# Altium PCB TCM.PcbDoc (part 1 of 10) (continued)
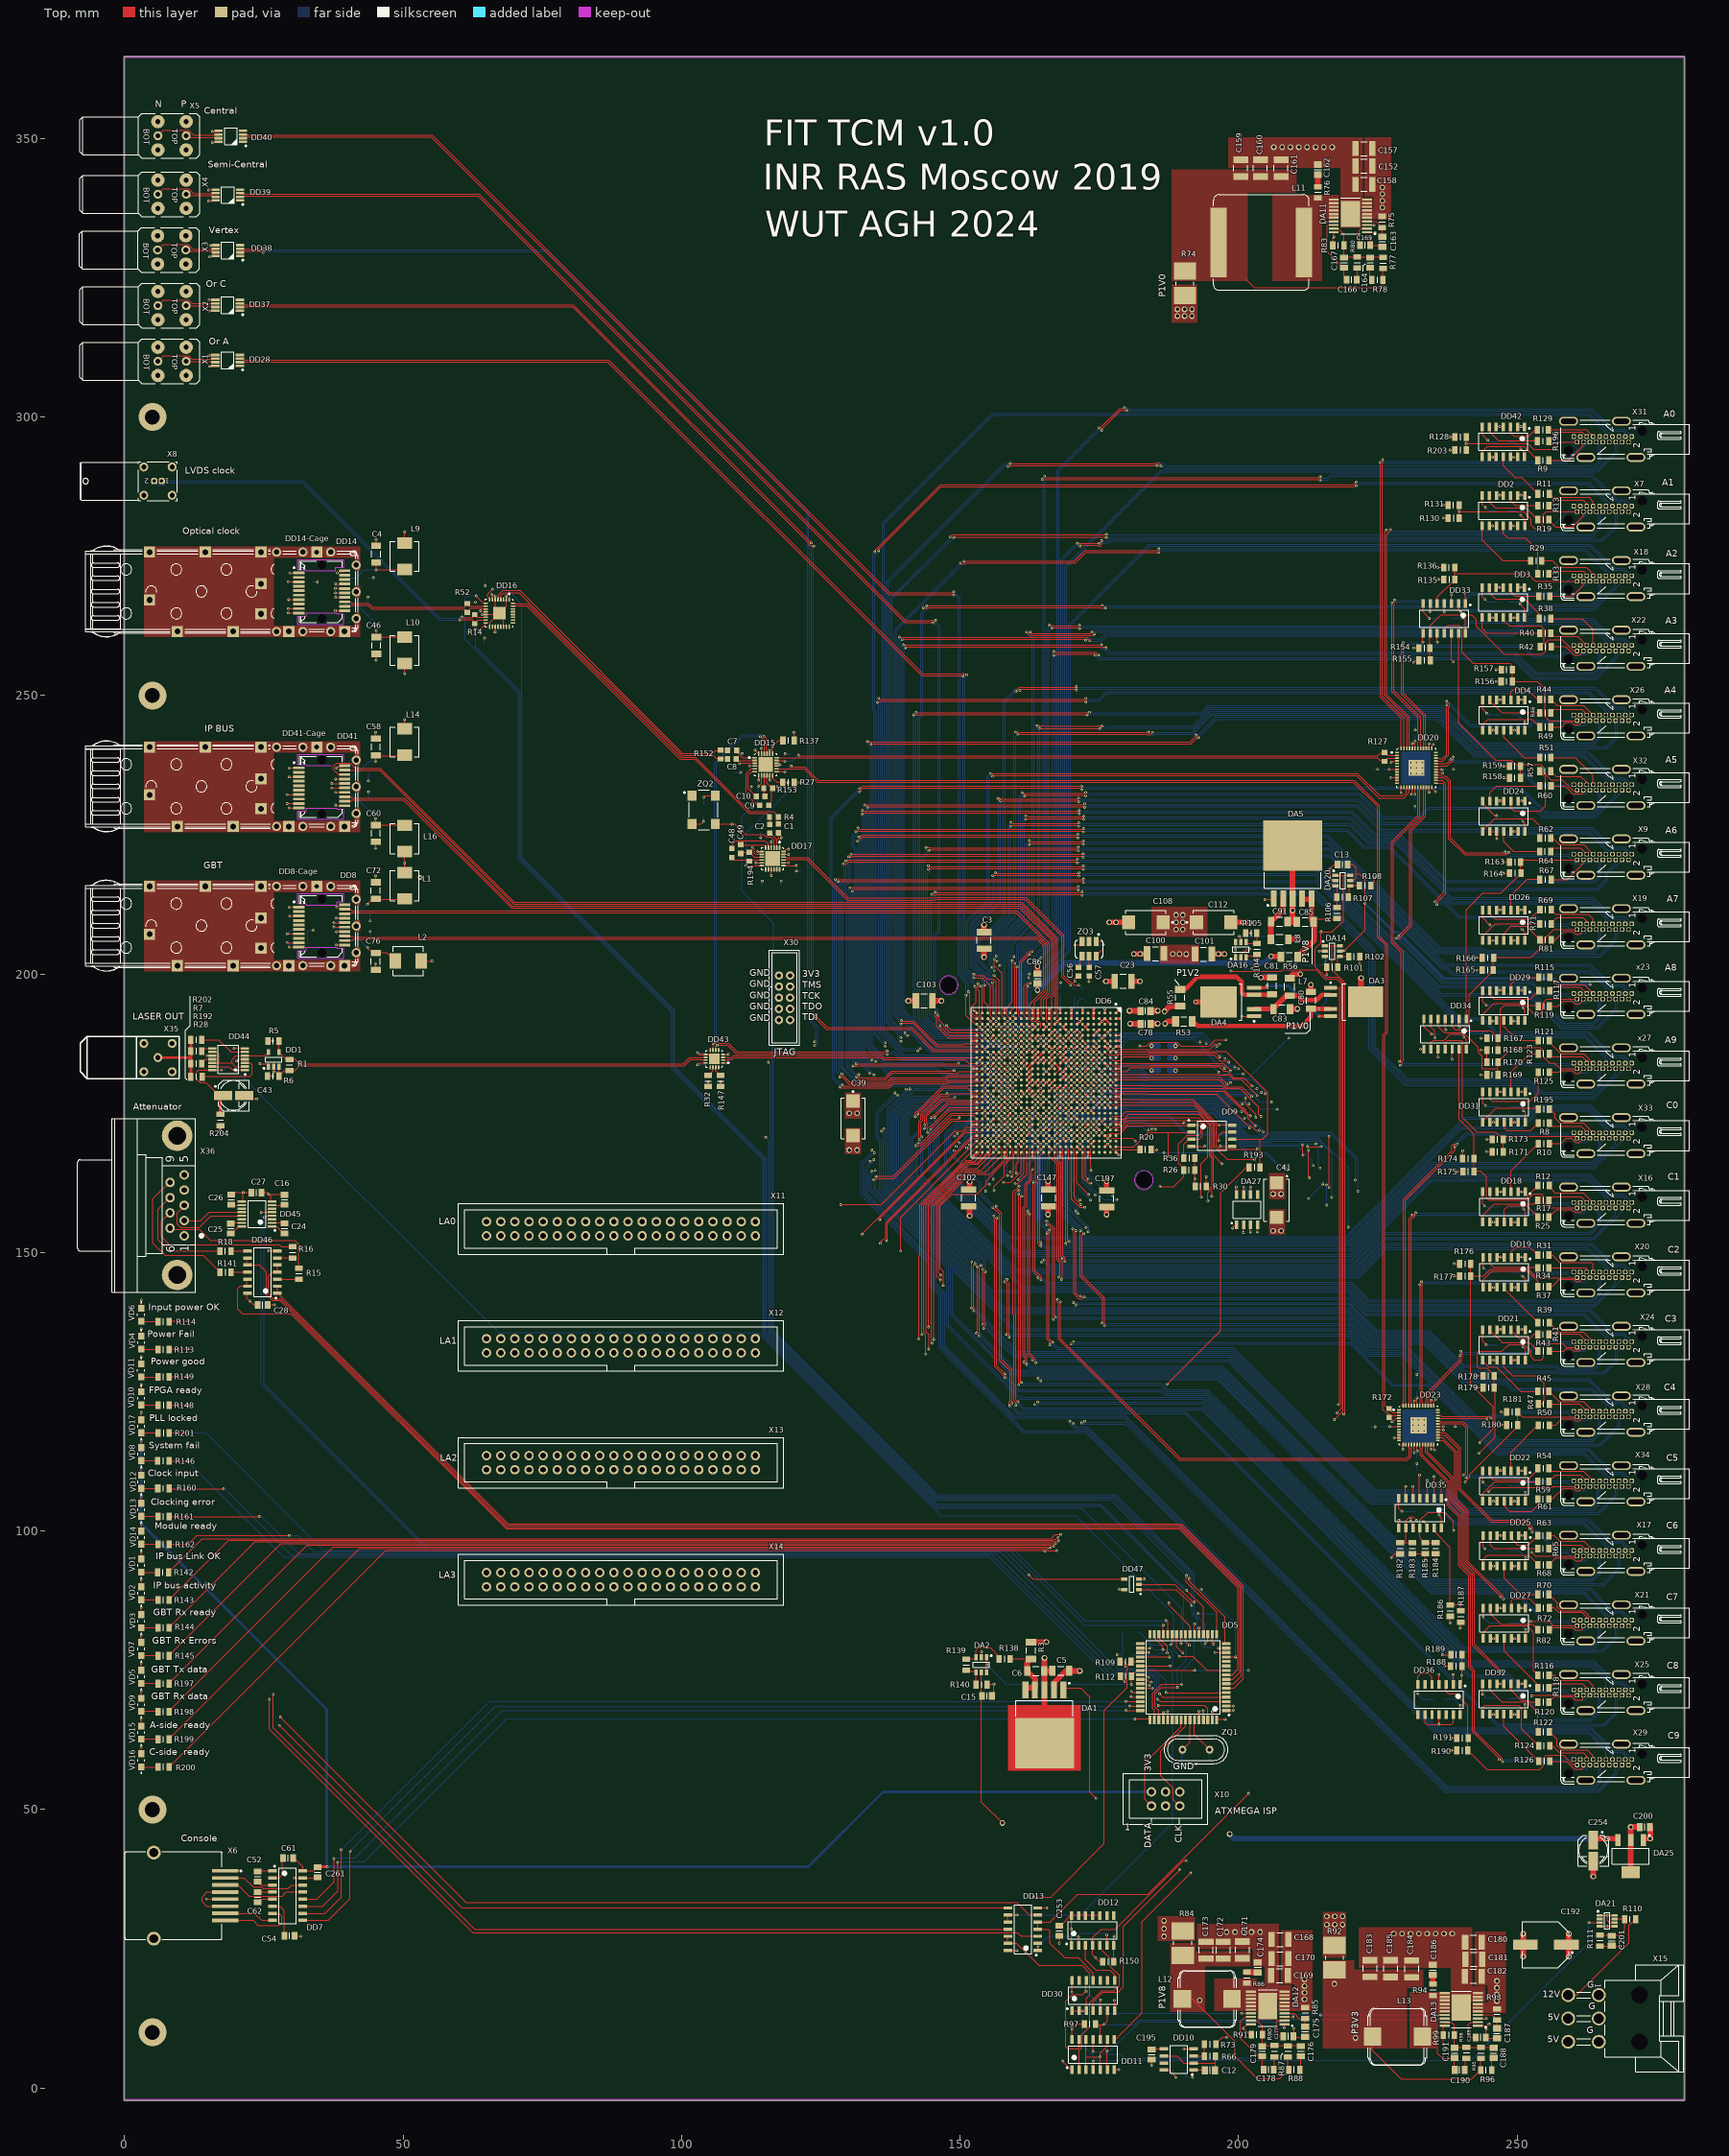
[diagram p0: Top view]
## Classes and differential pairs (continued)
differential pair OrA: +OrA_P -OrA_N
differential pair MGTCLK: +MGTCLK_P -MGTCLK_N
differential pair LASER: +LASER_P -LASER_N
differential pair HDMIC_LHC.9_LHC_CLK: +HDMIC_LHC.9_LHC_CLK_P -HDMIC_LHC.9_LHC_CLK_N
differential pair HDMIC_LHC.8_LHC_CLK: +HDMIC_LHC.8_LHC_CLK_P -HDMIC_LHC.8_LHC_CLK_N
differential pair HDMIC_LHC.7_LHC_CLK: +HDMIC_LHC.7_LHC_CLK_P -HDMIC_LHC.7_LHC_CLK_N
differential pair HDMIC_LHC.6_LHC_CLK: +HDMIC_LHC.6_LHC_CLK_P -HDMIC_LHC.6_LHC_CLK_N
differential pair HDMIC_LHC.5_LHC_CLK: +HDMIC_LHC.5_LHC_CLK_P -HDMIC_LHC.5_LHC_CLK_N
differential pair HDMIC_LHC.4_LHC_CLK: +HDMIC_LHC.4_LHC_CLK_P -HDMIC_LHC.4_LHC_CLK_N
differential pair HDMIC_LHC.3_LHC_CLK: +HDMIC_LHC.3_LHC_CLK_P -HDMIC_LHC.3_LHC_CLK_N
differential pair HDMIC_LHC.2_LHC_CLK: +HDMIC_LHC.2_LHC_CLK_P -HDMIC_LHC.2_LHC_CLK_N
differential pair HDMIC_LHC.1_LHC_CLK: +HDMIC_LHC.1_LHC_CLK_P -HDMIC_LHC.1_LHC_CLK_N
differential pair HDMIC_LHC.0_LHC_CLK: +HDMIC_LHC.0_LHC_CLK_P -HDMIC_LHC.0_LHC_CLK_N
differential pair HDMIC9.TCM_DT1: +HDMIC9.TCM_DT1_P -HDMIC9.TCM_DT1_N
differential pair HDMIC9.TCM_DT0: +HDMIC9.TCM_DT0_P -HDMIC9.TCM_DT0_N
differential pair HDMIC9.TCM_DA1: +HDMIC9.TCM_DA1_P -HDMIC9.TCM_DA1_N
differential pair HDMIC9.TCM_DA0: +HDMIC9.TCM_DA0_P -HDMIC9.TCM_DA0_N
differential pair HDMIC8.TCM_DT1: +HDMIC8.TCM_DT1_P -HDMIC8.TCM_DT1_N
differential pair HDMIC8.TCM_DT0: +HDMIC8.TCM_DT0_P -HDMIC8.TCM_DT0_N
differential pair HDMIC8.TCM_DA1: +HDMIC8.TCM_DA1_P -HDMIC8.TCM_DA1_N
differential pair HDMIC8.TCM_DA0: +HDMIC8.TCM_DA0_P -HDMIC8.TCM_DA0_N
differential pair HDMIC7.TCM_DT1: +HDMIC7.TCM_DT1_P -HDMIC7.TCM_DT1_N
differential pair HDMIC7.TCM_DT0: +HDMIC7.TCM_DT0_P -HDMIC7.TCM_DT0_N
differential pair HDMIC7.TCM_DA1: +HDMIC7.TCM_DA1_P -HDMIC7.TCM_DA1_N
differential pair HDMIC7.TCM_DA0: +HDMIC7.TCM_DA0_P -HDMIC7.TCM_DA0_N
differential pair HDMIC6.TCM_DT1: +HDMIC6.TCM_DT1_P -HDMIC6.TCM_DT1_N
differential pair HDMIC6.TCM_DT0: +HDMIC6.TCM_DT0_P -HDMIC6.TCM_DT0_N
differential pair HDMIC6.TCM_DA1: +HDMIC6.TCM_DA1_P -HDMIC6.TCM_DA1_N
differential pair HDMIC6.TCM_DA0: +HDMIC6.TCM_DA0_P -HDMIC6.TCM_DA0_N
differential pair HDMIC5.TCM_DT1: +HDMIC5.TCM_DT1_P -HDMIC5.TCM_DT1_N
differential pair HDMIC5.TCM_DT0: +HDMIC5.TCM_DT0_P -HDMIC5.TCM_DT0_N
differential pair HDMIC5.TCM_DA1: +HDMIC5.TCM_DA1_P -HDMIC5.TCM_DA1_N
differential pair HDMIC5.TCM_DA0: +HDMIC5.TCM_DA0_P -HDMIC5.TCM_DA0_N
differential pair HDMIC4.TCM_DT1: +HDMIC4.TCM_DT1_P -HDMIC4.TCM_DT1_N
differential pair HDMIC4.TCM_DT0: +HDMIC4.TCM_DT0_P -HDMIC4.TCM_DT0_N
differential pair HDMIC4.TCM_DA1: +HDMIC4.TCM_DA1_P -HDMIC4.TCM_DA1_N
differential pair HDMIC4.TCM_DA0: +HDMIC4.TCM_DA0_P -HDMIC4.TCM_DA0_N
differential pair HDMIC3.TCM_DT1: +HDMIC3.TCM_DT1_P -HDMIC3.TCM_DT1_N
differential pair HDMIC3.TCM_DT0: +HDMIC3.TCM_DT0_P -HDMIC3.TCM_DT0_N
differential pair HDMIC3.TCM_DA1: +HDMIC3.TCM_DA1_P -HDMIC3.TCM_DA1_N
differential pair HDMIC3.TCM_DA0: +HDMIC3.TCM_DA0_P -HDMIC3.TCM_DA0_N
differential pair HDMIC2.TCM_DT1: +HDMIC2.TCM_DT1_P -HDMIC2.TCM_DT1_N
differential pair HDMIC2.TCM_DT0: +HDMIC2.TCM_DT0_P -HDMIC2.TCM_DT0_N
differential pair HDMIC2.TCM_DA1: +HDMIC2.TCM_DA1_P -HDMIC2.TCM_DA1_N
differential pair HDMIC2.TCM_DA0: +HDMIC2.TCM_DA0_P -HDMIC2.TCM_DA0_N
differential pair HDMIC1.TCM_DT1: +HDMIC1.TCM_DT1_P -HDMIC1.TCM_DT1_N
differential pair HDMIC1.TCM_DT0: +HDMIC1.TCM_DT0_P -HDMIC1.TCM_DT0_N
differential pair HDMIC1.TCM_DA1: +HDMIC1.TCM_DA1_P -HDMIC1.TCM_DA1_N
differential pair HDMIC1.TCM_DA0: +HDMIC1.TCM_DA0_P -HDMIC1.TCM_DA0_N
differential pair HDMIC0.TCM_DT1: +HDMIC0.TCM_DT1_P -HDMIC0.TCM_DT1_N
differential pair HDMIC0.TCM_DT0: +HDMIC0.TCM_DT0_P -HDMIC0.TCM_DT0_N
differential pair HDMIC0.TCM_DA1: +HDMIC0.TCM_DA1_P -HDMIC0.TCM_DA1_N
differential pair HDMIC0.TCM_DA0: +HDMIC0.TCM_DA0_P -HDMIC0.TCM_DA0_N
differential pair HDMIA_LHC.9_LHC_CLK: +HDMIA_LHC.9_LHC_CLK_P -HDMIA_LHC.9_LHC_CLK_N
differential pair HDMIA_LHC.8_LHC_CLK: +HDMIA_LHC.8_LHC_CLK_P -HDMIA_LHC.8_LHC_CLK_N
differential pair HDMIA_LHC.7_LHC_CLK: +HDMIA_LHC.7_LHC_CLK_P -HDMIA_LHC.7_LHC_CLK_N
differential pair HDMIA_LHC.6_LHC_CLK: +HDMIA_LHC.6_LHC_CLK_P -HDMIA_LHC.6_LHC_CLK_N
differential pair HDMIA_LHC.5_LHC_CLK: +HDMIA_LHC.5_LHC_CLK_P -HDMIA_LHC.5_LHC_CLK_N
differential pair HDMIA_LHC.4_LHC_CLK: +HDMIA_LHC.4_LHC_CLK_P -HDMIA_LHC.4_LHC_CLK_N
differential pair HDMIA_LHC.3_LHC_CLK: +HDMIA_LHC.3_LHC_CLK_P -HDMIA_LHC.3_LHC_CLK_N
differential pair HDMIA_LHC.2_LHC_CLK: +HDMIA_LHC.2_LHC_CLK_P -HDMIA_LHC.2_LHC_CLK_N
differential pair HDMIA_LHC.1_LHC_CLK: +HDMIA_LHC.1_LHC_CLK_P -HDMIA_LHC.1_LHC_CLK_N
differential pair HDMIA_LHC.0_LHC_CLK: +HDMIA_LHC.0_LHC_CLK_P -HDMIA_LHC.0_LHC_CLK_N
differential pair HDMIA9.TCM_DT1: +HDMIA9.TCM_DT1_P -HDMIA9.TCM_DT1_N
differential pair HDMIA9.TCM_DT0: +HDMIA9.TCM_DT0_P -HDMIA9.TCM_DT0_N
differential pair HDMIA9.TCM_DA1: +HDMIA9.TCM_DA1_P -HDMIA9.TCM_DA1_N
differential pair HDMIA9.TCM_DA0: +HDMIA9.TCM_DA0_P -HDMIA9.TCM_DA0_N
differential pair HDMIA8.TCM_DT1: +HDMIA8.TCM_DT1_P -HDMIA8.TCM_DT1_N
differential pair HDMIA8.TCM_DT0: +HDMIA8.TCM_DT0_P -HDMIA8.TCM_DT0_N
differential pair HDMIA8.TCM_DA1: +HDMIA8.TCM_DA1_P -HDMIA8.TCM_DA1_N
differential pair HDMIA8.TCM_DA0: +HDMIA8.TCM_DA0_P -HDMIA8.TCM_DA0_N
differential pair HDMIA7.TCM_DT1: +HDMIA7.TCM_DT1_P -HDMIA7.TCM_DT1_N
differential pair HDMIA7.TCM_DT0: +HDMIA7.TCM_DT0_P -HDMIA7.TCM_DT0_N
differential pair HDMIA7.TCM_DA1: +HDMIA7.TCM_DA1_P -HDMIA7.TCM_DA1_N
differential pair HDMIA7.TCM_DA0: +HDMIA7.TCM_DA0_P -HDMIA7.TCM_DA0_N
differential pair HDMIA6.TCM_DT1: +HDMIA6.TCM_DT1_P -HDMIA6.TCM_DT1_N
differential pair HDMIA6.TCM_DT0: +HDMIA6.TCM_DT0_P -HDMIA6.TCM_DT0_N
differential pair HDMIA6.TCM_DA1: +HDMIA6.TCM_DA1_P -HDMIA6.TCM_DA1_N
differential pair HDMIA6.TCM_DA0: +HDMIA6.TCM_DA0_P -HDMIA6.TCM_DA0_N
differential pair HDMIA5.TCM_DT1: +HDMIA5.TCM_DT1_P -HDMIA5.TCM_DT1_N
differential pair HDMIA5.TCM_DT0: +HDMIA5.TCM_DT0_P -HDMIA5.TCM_DT0_N
differential pair HDMIA5.TCM_DA1: +HDMIA5.TCM_DA1_P -HDMIA5.TCM_DA1_N
differential pair HDMIA5.TCM_DA0: +HDMIA5.TCM_DA0_P -HDMIA5.TCM_DA0_N
differential pair HDMIA4.TCM_DT1: +HDMIA4.TCM_DT1_P -HDMIA4.TCM_DT1_N
differential pair HDMIA4.TCM_DT0: +HDMIA4.TCM_DT0_P -HDMIA4.TCM_DT0_N
differential pair HDMIA4.TCM_DA1: +HDMIA4.TCM_DA1_P -HDMIA4.TCM_DA1_N
differential pair HDMIA4.TCM_DA0: +HDMIA4.TCM_DA0_P -HDMIA4.TCM_DA0_N
differential pair HDMIA3.TCM_DT1: +HDMIA3.TCM_DT1_P -HDMIA3.TCM_DT1_N
differential pair HDMIA3.TCM_DT0: +HDMIA3.TCM_DT0_P -HDMIA3.TCM_DT0_N
differential pair HDMIA3.TCM_DA1: +HDMIA3.TCM_DA1_P -HDMIA3.TCM_DA1_N
differential pair HDMIA3.TCM_DA0: +HDMIA3.TCM_DA0_P -HDMIA3.TCM_DA0_N
differential pair HDMIA2.TCM_DT1: +HDMIA2.TCM_DT1_P -HDMIA2.TCM_DT1_N
differential pair HDMIA2.TCM_DT0: +HDMIA2.TCM_DT0_P -HDMIA2.TCM_DT0_N
differential pair HDMIA2.TCM_DA1: +HDMIA2.TCM_DA1_P -HDMIA2.TCM_DA1_N
differential pair HDMIA2.TCM_DA0: +HDMIA2.TCM_DA0_P -HDMIA2.TCM_DA0_N
differential pair HDMIA1.TCM_DT1: +HDMIA1.TCM_DT1_P -HDMIA1.TCM_DT1_N
differential pair HDMIA1.TCM_DT0: +HDMIA1.TCM_DT0_P -HDMIA1.TCM_DT0_N
differential pair HDMIA1.TCM_DA1: +HDMIA1.TCM_DA1_P -HDMIA1.TCM_DA1_N
differential pair HDMIA1.TCM_DA0: +HDMIA1.TCM_DA0_P -HDMIA1.TCM_DA0_N
differential pair HDMIA0.TCM_DT1: +HDMIA0.TCM_DT1_P -HDMIA0.TCM_DT1_N
differential pair HDMIA0.TCM_DT0: +HDMIA0.TCM_DT0_P -HDMIA0.TCM_DT0_N
differential pair HDMIA0.TCM_DA1: +HDMIA0.TCM_DA1_P -HDMIA0.TCM_DA1_N
differential pair HDMIA0.TCM_DA0: +HDMIA0.TCM_DA0_P -HDMIA0.TCM_DA0_N
differential pair GBT_TX: +GBT_TX_P -GBT_TX_N
differential pair GBT_RX: +GBT_RX_P -GBT_RX_N
differential pair EXT_CLK_IN_1: +EXT_CLK_IN_1_P -EXT_CLK_IN_1_N
differential pair EXT_CLK_IN_0: +EXT_CLK_IN_0_P -EXT_CLK_IN_0_N
differential pair EXT_CLK1: +EXT_CLK1_P -EXT_CLK1_N
differential pair EXT_CLK0: +EXT_CLK0_P -EXT_CLK0_N
differential pair ETH_TX: +ETH_TX_P -ETH_TX_N
differential pair ETH_RX: +ETH_RX_P -ETH_RX_N
differential pair C: +C_P -C_N
differential pair CLKC: +CLKC_P -CLKC_N
differential pair CLKC_IN: +CLKC_IN_P -CLKC_IN_N
differential pair CLKA: +CLKA_P -CLKA_N
differential pair CLKA_IN: +CLKA_IN_P -CLKA_IN_N
differential pair Vertex: +Vertex_P -Vertex_N
differential pair LCLK: +LCLK_P -LCLK_N
differential pair LAS: +LAS_P -LAS_N
differential pair X5: +X5_P -X5_N
differential pair X4: +X4_P -X4_N
differential pair X3: +X3_P -X3_N
differential pair X2: +X2_P -X2_N
differential pair X1: +X1_P -X1_N

## Components (designator, comment, footprint, x,y, rotation, side; value= is the part's Value field where it differs from the comment)
C1 "220nF" CAPC1608X87N 117.4,226.15 r270 top
C2 "220nF" CAPC1608X87N 115.847,226.093 r270 top
C3 "47uF" CAPC3225X270N 154.322,206.03 r270 top
C4 "22uF" CAPC3216X180N 45.172,275.371 r270 top
C5 "22uF" CAPC3216X180N 168.074,74.911 r0 top
C6 "22uF" CAPC3216X180N 163.603,74.88 r180 top
C7 "220nF" CAPC1608X87N 109.083,240.176 r0 top
C8 "220nF" CAPC1608X87N 109.043,238.635 r0 top
C9 "220nF" CAPC1608X87N 114.853,230.288 r0 top
C10 "220nF" CAPC1608X87N 114.215,231.902 r0 top
C11 "220nF" CAPC2012X135N 216.77,204.231 r0 bottom
C12 "2.2nF" CAPC2013X100N 194.87,3.209 r0 top
C13 "220nF" CAPC2012X135N 218.692,219.684 r0 top
C14 "220nF" CAPC2012X135N 200.526,204.718 r90 bottom
C15 "220nF" CAPC2012X135N 154.825,70.386 r180 top
C16 "220nF" CAPC2012X135N 28.735,159.47 r90 top
C17 "220nF" CAPC2012X135N 232.621,103.509 r0 bottom
C18 "220nF" CAPC2012X135N 247.675,133.365 r0 bottom
C19 "220nF" CAPC2012X135N 247.719,69.969 r0 bottom
C20 "220nF" CAPC2012X135N 247.665,83.512 r0 bottom
C21 "220nF" CAPC2012X135N 247.433,295.629 r0 bottom
C22 "220nF" CAPC2012X135N 104.362,184.842 r270 bottom
C23 "47uF" CAPC3225X270N 179.272,198.704 r0 top
C24 "220nF" CAPC2012X135N 28.697,154.333 r270 top
C25 "220nF" CAPC2012X135N 19.1,154.303 r90 top
C26 "220nF" CAPC2012X135N 19.131,159.509 r270 top
C27 "220nF" CAPC2012X135N 23.691,160.762 r0 top
C28 "220nF" CAPC2012X135N 24.792,140.567 r180 top
C29 "220nF" CAPC2012X135N 247.889,246.598 r0 bottom
C30 "220nF" CAPC2012X135N 64.75,269.7 r270 bottom
C31 "220nF" CAPC2012X135N 112.507,233.75 r90 bottom
C32 "220nF" CAPC2012X135N 110.95,239.6 r0 bottom
C33 "220nF" CAPC2012X135N 114.5,216.8 r90 bottom
C34 "220nF" CAPC2012X135N 114.2,224.5 r270 bottom
C35 "220nF" CAPC2012X135N 117.9,224.5 r270 bottom
C36 "220nF" CAPC2012X135N 64.632,260.4 r90 bottom
C37 "220nF" CAPC2012X135N 118.5,239.55 r180 bottom
C38 "220nF" CAPC2012X135N 117.207,233.75 r90 bottom
C39 "330uF" CAPMP7343X300N 130.8,174.1 r270 top
C40 "220nF" CAPC2012X135N 117.9,216.8 r90 bottom
C41 "330uF" CAPMP7343X310N 206.815,159.422 r270 top
C42 "220nF" CAPC2012X135N 18.463,184.517 r90 bottom
C43 "47uF" CAPAE530X610N 19.6,178.225 r0 top
C44 "10nF" CAPC2012X135N 42.604,271.153 r180 bottom
C45 "220nF" CAPC2012X135N 236.006,69.819 r0 bottom
C46 "22uF" CAPC3216X180N 45.198,258.977 r90 top
C47 "10nF" CAPC2012X135N 42.647,266.333 r180 bottom
C48 "220nF" CAPC1608X87N 109.028,221.726 r270 top
C49 "220nF" CAPC1608X87N 110.616,222.445 r270 top
C50 "20pF" CAPC2012X135N 190.059,58.196 r180 bottom
C52 "220nF" CAPC2012X135N 23.915,37.951 r270 top
C53 "220nF" CAPC2012X135N 247.591,108.178 r0 bottom
C54 "220nF" CAPC2012X135N 29.627,27.321 r180 top
C55 "220nF" CAPC2012X135N 17.276,350.276 r270 bottom
C56 "220nF" CAPC1608X87N 171.281,200.418 r270 top
C57 "220nF" CAPC1608X87N 173.189,200.418 r270 top
C58 "22uF" CAPC3216X180N 45.11,240.775 r270 top
C59 "10nF" CAPC2012X135N 42.793,236.023 r180 bottom
C60 "22uF" CAPC3216X180N 45.109,225.241 r90 top
C61 "220nF" CAPC2012X135N 29.361,41.311 r180 top
C62 "220nF" CAPC2012X135N 23.894,34.285 r270 top
C63 "10nF" CAPC2012X135N 42.793,231.298 r180 bottom
C65 "20pF" CAPC2012X135N 194.678,58.209 r0 bottom
C67 "220nF" CAPC2012X135N 247.743,146.52 r0 bottom
C69 "220nF" CAPC1608X87N 170.5,196.525 r270 bottom
C70 "220nF" CAPC1608X87N 172.125,196.525 r270 bottom
C71 "220nF" CAPC2012X135N 195.05,171.306 r90 bottom
C72 "22uF" CAPC3216X180N 45.103,214.98 r270 top
C73 "10nF" CAPC2012X135N 43.119,211.041 r180 bottom
C76 "22uF" CAPC3216X180N 45.094,202.283 r90 top
C77 "10nF" CAPC2012X135N 43.093,206.256 r180 bottom
C78 "4.7uF" CAPC2012X145N 183.302,191.037 r180 top
C80 "22uF" CAPC3216X180N 213.032,195.296 r270 top
C81 "22uF" CAPC3216X180N 206.032,197.856 r270 top
C83 "22uF" CAPC3216X180N 207.759,193.711 r180 top
C84 "4.7uF" CAPC2012X145N 183.292,193.375 r180 top
C85 "22uF" CAPC3216X180N 211.955,209.378 r0 top
C86 "4.7uF" CAPC2012X145N 163.934,199.194 r270 top
C91 "22uF" CAPC3216X180N 207.333,209.418 r180 top
C95 "1uF" CAPC2012X140N 206.793,198.904 r270 bottom
C97 "4.7uF" CAPC2012X145N 186.627,184.859 r180 bottom
C98 "4.7uF" CAPC2012X145N 186.622,182.677 r180 bottom
C99 "4.7uF" CAPC2012X145N 186.61,187.046 r180 bottom
C100 "47uF" CAPC3225X270N 185.089,203.665 r0 top
C101 "47uF" CAPC3225X270N 193.7,203.592 r180 top
C102 "47uF" CAPC3225X270N 151.54,159.795 r90 top
C103 "47uF" CAPC3225X270N 143.552,195.21 r0 top
C108 "330uF" CAPMP7343X190N 183.365,209.273 r180 top
C112 "330uF" CAPMP7343X190N 195.542,209.282 r0 top
C147 "47uF" CAPC3225X270N 165.906,159.802 r90 top
C152 "47uF" CAPC3225X270N 222.504,345.059 r0 top
C157 "47uF" CAPC3225X270N 222.504,348.2 r0 top
C158 "47uF" CAPC3225X270N 222.504,341.757 r0 top
C159 "47uF" CAPC3225X270N 200.406,344.678 r270 top
C160 "47uF" CAPC3225X270N 203.929,344.683 r270 top
C161 "47uF" CAPC3225X270N 207.645,344.678 r270 top
C162 "360pF" CAPC2013X145N 214.249,344.424 r270 top
C163 "1uF" CAPC2012X140N 225.806,331.47 r90 top
C164 "4.7nF" CAPC2012X135N 223.634,327.706 r90 top
C165 "100nF" CAPC2012X135N 222.758,330.835 r180 top
C166 "10nF" CAPC2012X135N 220.301,324.653 r0 top
C167 "100pF" CAPC2012X135N 218.934,327.731 r90 top
C168 "47uF" CAPC3225X270N 207.446,26.685 r0 top
C169 "47uF" CAPC3225X270N 207.351,20.205 r0 top
C170 "47uF" CAPC3225X270N 207.435,23.237 r0 top
C171 "47uF" CAPC3225X270N 200.692,24.788 r270 top
C172 "47uF" CAPC3225X270N 197.243,24.752 r270 top
C173 "47uF" CAPC3225X270N 194.176,24.764 r270 top
C174 "360pF" CAPC2013X145N 203.464,21.661 r270 top
C175 "1uF" CAPC2012X140N 211.959,10.121 r90 top
C176 "4.7nF" CAPC2012X95N 211.189,6.625 r90 top
C177 "100nF" CAPC2012X135N 208.965,9.287 r180 top
C178 "10nF" CAPC2012X135N 205.411,3.286 r180 top
C179 "100pF" CAPC2012X135N 204.267,6.589 r90 top
C180 "47uF" CAPC3225X270N 242.175,26.2 r0 top
C181 "47uF" CAPC3225X270N 242.228,23.12 r0 top
C182 "47uF" CAPC3225X270N 242.144,20.07 r0 top
C183 "47uF" CAPC3225X270N 223.61,21.453 r270 top
C184 "47uF" CAPC3225X270N 231.094,21.4 r270 top
C185 "47uF" CAPC3225X270N 227.315,21.432 r270 top
C186 "360pF" CAPC2013X145N 234.89,21.199 r270 top
C187 "1uF" CAPC2012X140N 246.386,9.821 r90 top
C188 "4.7nF" CAPC2012X95N 245.79,6.312 r90 top
C189 "100nF" CAPC2012X135N 243.465,9.105 r180 top
C190 "10nF" CAPC2012X135N 239.732,3.256 r180 top
C191 "100pF" CAPC2012X135N 238.782,6.317 r90 top
C192 "560uF" CAPAE830X1020N 255.16,25.754 r180 top
C193 "220nF" CAPC2012X135N 16.574,320.109 r270 bottom
C194 "220nF" CAPC2012X135N 189.3,3.229 r180 bottom
C195 "220nF" CAPC2012X135N 184.402,6.009 r90 top
C196 "220nF" CAPC2012X135N 237.089,263.857 r0 bottom
C197 "47uF" CAPC3225X270N 176.344,159.655 r90 top
C198 "220nF" CAPC2012X135N 247.521,96.48 r0 bottom
C199 "220nF" CAPC2012X135N 173.227,205.225 r0 bottom
C200 "220nF" CAPC2012X135N 272.915,46.846 r0 top
C201 "220nF" CAPC2012X135N 266.994,26.469 r90 top
C215 "220nF" CAPC2012X135N 16.573,339.784 r270 bottom
C216 "220nF" CAPC2012X135N 247.65,176.142 r0 bottom
C217 "220nF" CAPC2012X135N 225.1,236.758 r0 bottom
C218 "220nF" CAPC2012X135N 232.048,112.12 r90 bottom
C219 "220nF" CAPC2012X135N 224.6,118.743 r0 bottom
C220 "220nF" CAPC2012X135N 238.5,236.762 r180 bottom
C221 "220nF" CAPC2012X135N 231.686,230.3 r90 bottom
C222 "220nF" CAPC2012X135N 231.712,243.8 r270 bottom
C223 "220nF" CAPC2012X135N 232.009,126.182 r270 bottom
C224 "220nF" CAPC2012X135N 238.85,118.76 r180 bottom
C225 "220nF" CAPC2012X135N 247.464,283.193 r0 bottom
C226 "220nF" CAPC2012X135N 16.542,310.061 r270 bottom
C227 "220nF" CAPC2012X135N 248.415,228.408 r0 bottom
C228 "220nF" CAPC2012X135N 237.235,189.185 r0 bottom
C230 "220nF" CAPC2012X135N 247.698,208.773 r0 bottom
C231 "220nF" CAPC2012X135N 247.464,266.786 r0 bottom
C232 "220nF" CAPC2012X135N 26.379,183.8 r180 bottom
C238 "220nF" CAPC2012X135N 103.951,229.49 r90 bottom
C240 "220nF" CAPC2012X135N 247.642,158.222 r0 bottom
C241 "220nF" CAPC2012X135N 247.524,194.445 r0 bottom
C253 "220nF" CAPC2012X135N 167.846,28.254 r90 top
C254 "47uF" CAPAE530X610N 263.688,42.631 r270 top
C255 "220nF" CAPC2012X135N 200.735,160.128 r180 bottom
C256 "220nF" CAPC2012X135N 182.093,70.592 r270 bottom
C257 "220nF" CAPC2012X135N 193.212,66.012 r0 bottom
C258 "220nF" CAPC2012X135N 197.432,78.716 r90 bottom
C259 "220nF" CAPC2012X135N 190.087,81.01 r180 bottom
C261 "220nF" CAPC2012X135N 34.655,38.741 r90 top
C262 "220nF" CAPC2012X135N 16.769,329.76 r270 bottom
DA1 "LT1963EQ-2.5" TO170P1394X457-6N-R900X1060 165.155,65.179 r270 top
DA2 "TPS3700DDCR" SOT95P280X110-6N 153.849,75.97 r270 top
DA3 "LD49150PT10R" PPAK_N 220.682,195.001 r0 top
DA4 "LD49150PT12R" PPAK_M 198.615,194.981 r180 top
DA5 "LT1963EQ-1.8" TO170P1394X457-6N-R900X1060 209.716,219.825 r90 top
DA11 "LM21215AMHX-1" TEXAS_PWP0020AA 220.087,336.11 r180 top
DA12 "LM21212MH-1" TEXAS_PWP0020AA 205.24,14.39 r180 top
DA13 "LM21212MH-1" TEXAS_PWP0020AA 240,14.105 r180 top
DA14 "TPS3700DDCR" SOT95P280X110-6N 216.85,204.1 r0 top
DA16 "TPS3700DDCR" SOT95P280X110-6N 200.41,204.38 r90 top
DA20 "TPS3700DDCR" SOT95P280X110-6N 218.724,216.78 r0 top
DA21 "LTC2906ITS8" SOT65P280X100-8N 266.19,30.03 r0 top
DA25 "LM3940IMP-3.3/NOPB" SOT230P700X180-4N 270.409,41.62 r270 top
DA27 "ADT7311WTR" SOIC127P600X175-8N 201.535,157.69 r90 top
DD1 "DS90LT012ATMF" SOT95P280X145-5N 26.79,184.677 r90 top
DD2 "SN74LVC08AD" SOIC127P600X175-14N 247.56,283.195 r270 top
DD3 "SN74LVC08AD" SOIC127P600X175-14N 247.543,266.7 r270 top
DD4 "SN74LVC08AD" SOIC127P600X175-14N 247.629,246.492 r270 top
DD5 "ATXMEGA128A3U-AU" QFP80P1600X1600X120-64N 190.09,73.78 r180 top
DD6 "XC7K160T-2FBG676C" BGA676C100P26X26_2700X2700X254 165.5,180.5 r270 top locked
DD7 "ADM3232EARN" SOIC127P600X175-16N 29.27,34.548 r0 top
DD8 "SFP+" AMPHENOL_UE76A203000#1 35.4,208.625 r0 top
DD8-Cage "SFP+" AMPHENOL_U77A16131001 35.4,208.62 r0 top
DD9 "S25FL064LABMFI01" SOIC127P800X216-8N 195.22,170.981 r0 top
DD10 "LMC555CM/NOPB" SOIC127P600X175-8N 189.27,5.13 r180 top
DD11 "SN74HCT08D" SOIC127P600X175-14N 173.895,6.03 r90 top
DD12 "SN74HCT74D" SOIC127P600X175-14N 173.81,28.295 r90 top
DD13 "SN74HCT08D" SOIC127P600X175-14N 161.283,28.52 r180 top
DD14 "SFP+" AMPHENOL_UE76A203000#2 35.4,268.625 r0 top
DD14-Cage "SFP+" AMPHENOL_U77A16131001 35.4,268.62 r0 top
DD15 "Si5338A-B-GM" QFN50P400X400X90-25N-S265 115.107,237.6 r0 top
DD16 "SI53301-B-GM" QFN50P500X500X100-33N-S230 67.3,264.8 r270 top
DD17 "Si5338A-B-GM" QFN50P400X400X90-25N-S265 116.357,220.727 r270 top
DD18 "SN74LVC08AD" SOIC127P600X175-14N 247.68,158.19 r270 top
DD19 "SN74LVC08AD" SOIC127P600X175-14N 247.69,146.46 r270 top
DD20 "ADCLK854BCP" QFN50P700X700X80-49N-S290 231.953,237.024 r0 top
DD21 "SN74LVC08AD" SOIC127P600X175-14N 247.66,133.421 r270 top
DD22 "SN74LVC08AD" SOIC127P600X175-14N 247.677,108.091 r270 top
DD23 "ADCLK854BCP" QFN50P700X700X80-49N-S290 232.305,119.003 r0 top
DD24 "SN74LVC08AD" SOIC127P600X175-14N 247.625,228.306 r270 top
DD25 "SN74LVC08AD" SOIC127P600X175-14N 247.71,96.455 r270 top
DD26 "SN74LVC08AD" SOIC127P600X175-14N 247.612,208.751 r270 top
DD27 "SN74LVC08AD" SOIC127P600X175-14N 247.71,83.42 r270 top
DD28 "SN65LVDT100DGK" SOP65P490X110-8N 18.5,310.162 r180 top
DD29 "SN74LVC08AD" SOIC127P600X175-14N 247.625,194.33 r270 top
DD30 "CD74HCT30M96" SOIC127P600X175-14N 173.92,16.625 r90 top
DD31 "SN74LVC08AD" SOIC127P600X175-14N 247.67,176.131 r270 top
DD32 "SN74LVC08AD" SOIC127P600X175-14N 247.655,69.83 r270 top
DD33 "SN74LVC14AD" SOIC127P600X175-14N 236.943,263.837 r270 top
DD34 "SN74LVC14AD" SOIC127P600X175-14N 237.09,189.22 r270 top
DD35 "SN74LVC14AD" SOIC127P600X175-14N 232.585,103.22 r270 top
DD36 "SN74LVC14AD" SOIC127P600X175-14N 236.013,69.78 r270 top
DD37 "SN65LVDT100DGK" SOP65P490X110-8N 18.527,320.069 r180 top
DD38 "SN65LVDT100DGK" SOP65P490X110-8N 18.541,329.883 r180 top
DD39 "SN65LVDT100DGK" SOP65P490X110-8N 18.553,339.863 r180 top
DD40 "SN65LVDT100DGK" SOP65P490X110-8N 19.08,350.4 r180 top
DD41 "SFP+" AMPHENOL_UE76A203000#3 35.4,233.625 r0 top
DD41-Cage "SFP+" AMPHENOL_U77A16131001 35.4,233.62 r0 top
DD42 "SN74LVC08AD" SOIC127P600X175-14N 247.54,295.55 r270 top
DD43 "NB4L52MNG" QFN50P300X300X100-17N-S185 105.9,184.8 r180 top
DD44 "SN74LV4T125QPWRQ1" SOP65P640X120-14N 18.68,184.7 r180 top
DD45 "ADM3101EARQ" SOP63P600X175-16N 23.79,156.92 r180 top
DD46 "SN74HCT08D" SOIC127P600X175-14N 24.77,146.495 r180 top
DD47 "SN74LVC1G32DBV" SOT95P280X145-5N 180.822,90.455 r180 top
L1 "10uH" INDM5552X200N 50.279,215.862 r270 top
L2 "10uH" INDM5552X200N 50.937,202.338 r180 top
L3 "220R@100MHz" INDC2012X105N 120.5,218.4 r180 bottom
L5 "220R@100MHz" INDC2012X105N 63.1,266.8 r0 bottom
L6 "220R@100MHz" INDC2012X105N 110.7,236.2 r0 bottom
L7 "120R@100MHz" IND_MURATA_BLM31KN 209.182,197.673 r270 top
L8 "120R@100MHz" IND_MURATA_BLM31KN 207.383,206.228 r180 top
L9 "10uH" INDM5552X200N 50.289,274.993 r270 top
L10 "10uH" INDM5552X200N 50.276,258.12 r90 top
L11 "4.7uH" INDM172170X700N 204.089,331.343 r180 top
L12 "10uH" IND_VISHAY_IHPL4040DZ-01 194.384,16.006 r180 top
L13 "10uH" IND_VISHAY_IHPL4040DZ-01 228.524,9.228 r180 top
L14 "10uH" INDM5552X200N 50.287,241.664 r270 top
L16 "10uH" INDM5552X200N 50.283,224.33 r90 top
R1 "150" RESC2012X60N 29.613,183.686 r270 top
R2 "10k" RESC2012X60N 32.621,270.386 r0 bottom
R3 "0R01" RESC3216X80N 162.721,78.542 r90 top
R4 "100" RESC1608X55N 116.579,228.192 r0 top
R5 "150" RESC2012X60N 26.71,187.993 r0 top
R6 "150" RESC2012X60N 26.7,181.674 r0 top
R7 "200" RESC2012X60N 12.898,186.171 r180 top
R8 "47" RESC2012X60N 254.814,173.218 r180 top
R9 "47" RESC2012X60N 254.718,292.229 r180 top
R10 "47" RESC2012X60N 254.826,169.534 r180 top
R11 "47" RESC2012X60N 254.776,286.208 r180 top
R12 "47" RESC2012X60N 254.772,162.016 r180 top
R13 "47" RESC2012X60N 254.745,284.077 r180 top
R14 "100" RESC1608X55N 62.886,263.725 r90 top
R15 "100" RESC2012X60N 31.298,146.21 r90 top
R16 "100" RESC2012X60N 30.205,150.033 r90 top
R17 "47" RESC2012X60N 254.74,159.379 r180 top
R18 "100" RESC2012X60N 18.111,150.253 r180 top
R19 "47" RESC2012X60N 254.75,281.57 r180 top
R20 "330" RESC2012X60N 183.305,168.472 r0 top
R21 "4k7" RESC2012X60N 180.213,81.819 r180 bottom
R22 "4k7" RESC2012X60N 180.233,77.846 r180 bottom
R23 "330" RESC2012X60N 180.213,79.767 r180 bottom
R24 "100" RESC1608X55N 168.068,196.962 r270 bottom
R25 "47" RESC2012X60N 254.732,156.329 r180 top
R26 "2k4" RESC2012X60N 191.134,164.821 r0 top
R27 "4k7" RESC2012X60N 119.2,234.4 r0 top
R28 "200" RESC2012X60N 12.91,181.557 r180 top
R29 "47" RESC2012X60N 253.458,274.198 r180 top
R30 "2k4" RESC2012X60N 193.212,161.843 r180 top
R31 "47" RESC2012X60N 254.745,149.562 r180 top
R32 "1k" RESC2012X60N 104.8,180.8 r90 top
R33 "47" RESC2012X60N 254.73,271.833 r180 top
R34 "47" RESC2012X60N 254.744,147.248 r180 top
R35 "47" RESC2012X60N 254.876,267.812 r180 top
R36 "2k4" RESC2012X60N 191.17,166.93 r0 top
R37 "47" RESC2012X60N 254.728,143.857 r180 top
R38 "47" RESC2012X60N 255.03,263.8 r180 top
R39 "47" RESC2012X60N 254.765,137.435 r180 top
R40 "47" RESC2012X60N 255.094,261.189 r180 top
R41 "47" RESC2012X60N 254.718,135.292 r180 top
R42 "47" RESC2012X60N 255.13,258.761 r180 top
R43 "47" RESC2012X60N 254.77,132.31 r180 top
R44 "47" RESC2012X60N 255.066,249.303 r180 top
R45 "47" RESC2012X60N 254.752,125.122 r180 top
R46 "47" RESC2012X60N 255.09,246.91 r180 top
R47 "47" RESC2012X60N 254.785,122.814 r180 top
R48 "1k" RESC2012X60N 196.102,84.206 r90 bottom
R49 "47" RESC2012X60N 255.098,244.351 r180 top
R50 "47" RESC2012X60N 254.784,118.963 r180 top
R51 "47" RESC2012X60N 255.079,238.896 r180 top
R52 "100" RESC1608X55N 61.509,265.733 r90 top
R53 "0R01" RESC3216X80N 190.189,191.518 r180 top
R54 "47" RESC2012X60N 254.753,111.26 r180 top
R55 "0R01" RESC3216X80N 189.535,195.741 r270 top
R56 "0R01" RESC3216X80N 209.121,203.079 r180 top
R57 "47" RESC2012X60N 255.054,236.418 r180 top
R58 "1" RESC2012X60N 208.95,198.894 r90 bottom
R59 "47" RESC2012X60N 254.704,108.87 r180 top
R60 "47" RESC2012X60N 255.105,233.782 r180 top
R61 "47" RESC2012X60N 254.708,105.745 r180 top
R62 "47" RESC2012X60N 255.08,224.384 r180 top
R63 "47" RESC2012X60N 254.706,99.17 r180 top
R64 "47" RESC2012X60N 255.069,221.989 r180 top
R65 "47" RESC2012X60N 254.711,96.842 r180 top
R66 "1k" RESC2012X60N 194.881,5.711 r180 top
R67 "47" RESC2012X60N 255.117,216.946 r180 top
R68 "47" RESC2012X60N 254.758,93.941 r180 top
R69 "47" RESC2012X60N 255.124,211.554 r180 top
R70 "47" RESC2012X60N 254.753,88.623 r180 top
R71 "47" RESC2012X60N 255.112,208.953 r180 top
R72 "47" RESC2012X60N 254.802,86.208 r180 top
R73 "33" RESC2012X60N 194.903,7.861 r0 top
R74 "0R001" RESC_BOURNS_CRE2512_0R001-0R004 190.373,323.977 r270 top
R75 "1" RESC2012X60N 225.806,335.026 r90 top
R76 "5R1" RESC2012X60N 214.249,340.36 r270 top
R77 "10k" RESC2012X60N 225.938,327.645 r90 top
R78 "130" RESC2012X60N 224.936,324.614 r0 top
R79 "10k" RESC2012X60N 219.736,335.095 r0 bottom
R80 "10k" RESC2012X60N 221.32,327.727 r90 top
R81 "47" RESC2012X60N 255.124,206.124 r180 top
R82 "47" RESC2012X60N 254.761,82.27 r180 top
R83 "15k" RESC2012X60N 217.915,330.81 r0 top
R84 "0R001" RESC_BOURNS_CRE2512_0R001-0R004 190.003,26.014 r90 top
R85 "1" RESC2012X60N 211.973,13.496 r90 top
R86 "5R1" RESC2012X60N 201.484,19.823 r270 top
R87 "10k" RESC2012X60N 208.872,6.603 r90 top
R88 "130" RESC2012X60N 210.009,3.272 r180 top
R89 "10k" RESC2012X60N 204.158,13.386 r0 bottom
R90 "10k" RESC2012X60N 206.44,6.625 r90 top
R91 "5k1" RESC2012X60N 203.274,9.618 r0 top
R92 "0R001" RESC_BOURNS_CRE2512_0R001-0R004 217.224,23.377 r90 top
R93 "1" RESC2012X60N 246.423,13.216 r90 top
R94 "5R1" RESC2012X60N 234.902,17.645 r270 top
R95 "10k" RESC2012X60N 243.5,6.312 r90 top
R96 "130" RESC2012X60N 244.474,3.242 r180 top
R97 "10k" RESC2012X60N 173.315,11.509 r180 top
R98 "10k" RESC2012X60N 240.912,6.332 r90 top
R99 "2k2" RESC2012X60N 237.778,9.49 r0 top
R100 "15k" RESC2012X60N 215.782,197.705 r270 bottom
R101 "2k2" RESC2012X60N 216.861,201.245 r0 top
R102 "10k" RESC2012X60N 220.763,203.113 r180 top
R103 "20k" RESC2012X60N 200.757,199.347 r270 bottom
R104 "2k2" RESC2012X60N 203.309,204.48 r90 top
R105 "10k" RESC2012X60N 202.3,207.357 r0 top
R106 "33k" RESC2012X60N 217.715,210.943 r270 top
R107 "2k" RESC2012X60N 218.68,213.783 r0 top
R108 "9k1" RESC2012X60N 222.728,215.865 r180 top
R109 "10k" RESC2012X60N 179.72,76.564 r180 top
R110 "30k" RESC2012X60N 270.298,30.305 r0 top
R111 "1k3" RESC2012X60N 264.903,26.493 r90 top
R112 "10k" RESC2012X60N 179.767,73.931 r180 top
R113 "330" RESC2012X60N 6.988,132.59 r180 top
R114 "330" RESC2012X60N 7.01,137.609 r180 top
R115 "47" RESC2012X60N 254.882,199.414 r180 top
R116 "47" RESC2012X60N 254.758,74.091 r180 top
R117 "47" RESC2012X60N 254.882,196.997 r180 top
R118 "47" RESC2012X60N 254.747,71.861 r180 top
R119 "47" RESC2012X60N 254.837,194.218 r180 top
R120 "47" RESC2012X60N 254.735,69.312 r180 top
R121 "47" RESC2012X60N 254.789,188.029 r180 top
R122 "47" RESC2012X60N 254.79,63.947 r180 top
R123 "47" RESC2012X60N 254.8,185.696 r180 top
R124 "47" RESC2012X60N 254.867,61.437 r180 top
R125 "47" RESC2012X60N 254.792,182.348 r180 top
R126 "47" RESC2012X60N 254.9,58.666 r180 top
R127 "100" RESC1608X55N 226.22,238.992 r270 top
R128 "200" RESC2012X60N 239.863,296.389 r0 top
R129 "47" RESC2012X60N 254.645,297.707 r180 top
R130 "200" RESC2012X60N 238.621,281.835 r180 top
R131 "200" RESC2012X60N 238.614,284.179 r0 top
R132 "1k" RESC2012X60N 193.985,84.185 r90 bottom
R133 "10k" RESC2012X60N 31.88,207.857 r0 bottom
R134 "10k" RESC2012X60N 31.898,205.434 r0 bottom
R135 "200" RESC2012X60N 237.848,270.827 r180 top
R136 "200" RESC2012X60N 237.832,272.965 r0 top
R137 "4k7" RESC2012X60N 119.208,241.937 r0 top
R138 "62k" RESC2012X60N 158.015,77.037 r0 top
R139 "2k2" RESC2012X60N 151.09,75.972 r270 top
R140 "11k" RESC2012X60N 153.891,72.417 r180 top
R141 "100" RESC2012X60N 18.13,146.476 r180 top
R142 "100" RESC2012X60N 6.9,92.579 r180 top
R143 "100" RESC2012X60N 6.999,87.626 r180 top
R144 "100" RESC2012X60N 7.004,82.617 r180 top
R145 "100" RESC2012X60N 6.984,77.602 r180 top
R146 "330" RESC2012X60N 6.978,112.61 r180 top
R147 "1k" RESC2012X60N 107,180.8 r90 top
R148 "330" RESC2012X60N 7.017,122.592 r180 top
R149 "330" RESC2012X60N 6.985,127.649 r180 top
R150 "10k" RESC2012X60N 176.628,22.67 r180 top
R151 "10k" RESC2012X60N 201.029,162.987 r180 bottom
R152 "100" RESC1608X55N 107.019,239.401 r90 top
R153 "100" RESC1608X55N 115.542,233.384 r180 top
R154 "200" RESC2012X60N 233.389,258.528 r180 top
R155 "200" RESC2012X60N 233.416,256.312 r0 top
R156 "200" RESC2012X60N 248.147,252.522 r180 top
R157 "200" RESC2012X60N 248.159,254.664 r0 top
R158 "200" RESC2012X60N 249.612,235.216 r180 top
R159 "200" RESC2012X60N 249.62,237.314 r0 top
R160 "330" RESC2012X60N 6.981,107.647 r180 top
R161 "330" RESC2012X60N 7.014,102.621 r180 top
R162 "330" RESC2012X60N 7.003,97.606 r180 top
R163 "200" RESC2012X60N 249.657,220.119 r180 top
R164 "200" RESC2012X60N 249.688,218.096 r0 top
R165 "200" RESC2012X60N 244.755,200.706 r180 top
R166 "200" RESC2012X60N 244.773,202.919 r0 top
R167 "200" RESC2012X60N 245.597,188.51 r180 top
R168 "200" RESC2012X60N 245.597,186.352 r0 top
R169 "200" RESC2012X60N 245.588,181.902 r180 top
R170 "200" RESC2012X60N 245.597,184.203 r0 top
R171 "200" RESC2012X60N 246.517,168.074 r180 top
R172 "100" RESC1608X55N 227.05,121.2 r270 top
R173 "200" RESC2012X60N 246.528,170.287 r0 top
R174 "200" RESC2012X60N 241.249,166.868 r180 top
R175 "200" RESC2012X60N 241.259,164.514 r0 top
R176 "200" RESC2012X60N 240.713,147.968 r180 top
R177 "200" RESC2012X60N 240.705,145.769 r0 top
R178 "200" RESC2012X60N 244.897,127.87 r180 top
R179 "200" RESC2012X60N 244.922,125.745 r0 top
R180 "200" RESC2012X60N 249.123,119.023 r180 top
R181 "200" RESC2012X60N 249.133,121.369 r0 top
R182 "200" RESC2012X60N 229.015,96.894 r270 top
R183 "200" RESC2012X60N 231.214,96.9 r90 top
R184 "200" RESC2012X60N 235.388,96.91 r270 top
R185 "200" RESC2012X60N 233.517,96.905 r90 top
R186 "200" RESC2012X60N 238.002,85.698 r270 top
R187 "200" RESC2012X60N 239.889,84.661 r90 top
R188 "200" RESC2012X60N 239.094,75.768 r180 top
R189 "200" RESC2012X60N 239.104,77.796 r0 top
R190 "200" RESC2012X60N 240.185,60.614 r180 top
R191 "200" RESC2012X60N 240.208,62.823 r0 top
R192 "200" RESC2012X60N 12.894,183.925 r180 top
R193 "33" RESC2012X60N 202.902,165.283 r0 top
R194 "100" RESC1608X55N 112.191,221.049 r90 top
R195 "47" RESC2012X60N 254.832,175.77 r180 top
R196 "47" RESC2012X60N 254.69,295.674 r180 top
R197 "100" RESC2012X60N 7.004,72.601 r180 top
R198 "100" RESC2012X60N 7.001,67.587 r180 top
R199 "100" RESC2012X60N 7.008,62.606 r180 top
R200 "100" RESC2012X60N 7.001,57.628 r180 top
R201 "100" RESC2012X60N 7.02,117.624 r180 top
R202 "200" RESC2012X60N 12.898,188.178 r180 top
R203 "200" RESC2012X60N 239.863,294.071 r180 top
R204 "1" RESC2012X60N 17.218,173.802 r90 top
VD1 "Green" LED_KINGBRIGHT_KP-2012LSGC 3,93.81 r90 top
VD2 "Yellow" LED_KINGBRIGHT_KPT-2012YC 3,88.839 r90 top
VD3 "Green" LED_KINGBRIGHT_KP-2012LSGC 3,83.805 r90 top
VD4 "Red" LED_KINGBRIGHT_KPT-2012SURCK 3.006,133.839 r270 top
VD5 "Yellow" LED_KINGBRIGHT_KPT-2012YC 3,73.828 r90 top
VD6 "Green" LED_KINGBRIGHT_KP-2012LSGC 2.983,138.825 r270 top
VD7 "Red" LED_KINGBRIGHT_KPT-2012SURCK 3,78.816 r90 top
VD8 "Red" LED_KINGBRIGHT_KPT-2012SURCK 3,113.817 r90 top
VD9 "Yellow" LED_KINGBRIGHT_KPT-2012YC 3,68.812 r90 top
VD10 "Green" LED_KINGBRIGHT_KP-2012LSGC 3,123.831 r270 top
VD11 "Green" LED_KINGBRIGHT_KP-2012LSGC 2.986,128.836 r270 top
VD12 "Blue" LED_KINGBRIGHT_KPT-2012VBC-D 3,108.83 r90 top
VD13 "Red" LED_KINGBRIGHT_KPT-2012SURCK 3,103.82 r90 top
VD14 "Green" LED_KINGBRIGHT_KP-2012LSGC 3,98.822 r90 top
VD15 "Green" LED_KINGBRIGHT_KP-2012LSGC 3,63.814 r90 top
VD16 "Green" LED_KINGBRIGHT_KP-2012LSGC 3,58.83 r90 top
VD17 "Green" LED_KINGBRIGHT_KP-2012LSGC 3,118.8 r90 top
X1 "LEMO 00" LEMO_EPY.00.250.NTN 8.54,310 r180 top
X2 "LEMO 00" LEMO_EPY.00.250.NTN 8.54,320 r180 top
X3 "LEMO 00" LEMO_EPY.00.250.NTN 8.47,330 r180 top
X4 "LEMO 00" LEMO_EPY.00.250.NTN 8.54,340 r180 top
X5 "LEMO 00" LEMO_EPY.00.250.NTN 8.54,350.5 r180 top
X6 "RJ45" AMPHENOL_RJLSE4238101 11.949,34.545 r270 top locked
X7 "HDMI" TYCO_2007435-1 265.398,283.5 r90 top
X8 "LEMO 00" LEMO_EPG.00.302.NLN 6.005,288.5 r180 top
X9 "HDMI" TYCO_2007435-1 265.398,221 r90 top
X10 "" CONNFLY_DS1013-06SSIB1-B-0 186.906,51.916 r0 top
X11 "" CONNFLY_DS1013-40SSIB1-B-0 89.13,154.27 r0 top
X12 "" CONNFLY_DS1013-40SSIB1-B-0 89.13,133.27 r0 top
X13 "" CONNFLY_DS1013-40SSIB1-B-0 89.13,112.27 r0 top
X14 "" CONNFLY_DS1013-40SSIB1-B-0 89.13,91.27 r0 top
X15 "Mini-Fit BMI" MOLEX_15-24-9067 261.95,12.5 r270 top locked
X16 "HDMI" TYCO_2007435-1 265.398,158.5 r90 top
X17 "HDMI" TYCO_2007435-1 265.398,96 r90 top
X18 "HDMI" TYCO_2007435-1 265.398,271 r90 top
X19 "HDMI" TYCO_2007435-1 265.398,208.5 r90 top
X20 "HDMI" TYCO_2007435-1 265.398,146 r90 top
X21 "HDMI" TYCO_2007435-1 265.398,83.5 r90 top
X22 "HDMI" TYCO_2007435-1 265.398,258.5 r90 top
x23 "HDMI" TYCO_2007435-1 265.398,196 r90 top
X24 "HDMI" TYCO_2007435-1 265.398,133.5 r90 top
X25 "HDMI" TYCO_2007435-1 265.398,71 r90 top
X26 "HDMI" TYCO_2007435-1 265.398,246 r90 top
x27 "HDMI" TYCO_2007435-1 265.398,183.5 r90 top
X28 "HDMI" TYCO_2007435-1 265.398,121 r90 top
X29 "HDMI" TYCO_2007435-1 265.398,58.5 r90 top
X30 "" CONNFLY_DS1014-10SF1B-B 118.489,195.746 r270 top
X31 "HDMI" TYCO_2007435-1 265.398,296 r90 top
X32 "HDMI" TYCO_2007435-1 265.398,233.5 r90 top
X33 "HDMI" TYCO_2007435-1 265.398,171 r90 top
X34 "HDMI" TYCO_2007435-1 265.398,108.5 r90 top
X35 "LEMO 00" LEMO_EPL.00.250.NTN 6,185 r180 top
X36 "D-Sub 9F" "HARTING_09 66 152 6612" 9.45,158.48 r90 top
ZQ1 "16MHz" XTAL_ABRACON_ABL 192.372,60.755 r0 top
ZQ2 "40MHz" OSC_IQD_CFPS-73 103.969,229.482 r0 top
ZQ3 "125MHz" OSC_EPSON_SG5032VAN 173.169,204.516 r270 top

## Footprints (in the part's own frame and the unit in brackets; to place one, negate y for a bottom-side part, rotate by r counter-clockwise, add the part's x,y. Pads: shape width x height; smd on the part's side, far side on the other; paste and mask are expansions set on the pad)
AMPHENOL_RJLSE4238101 [mm] "1 Port RJ45 Connector, 8P8C, Right Angle Without Leds"
  rect 0.65x4.75 smd: 1(-4.445,6.106) 2(-3.175,6.106) 3(-1.905,6.106) 4(-0.635,6.106) 5(0.635,6.106) 6(1.905,6.106) 7(3.175,6.106) 8(4.445,6.106)
  round 2.5 hole 1.6: SHIELD(-7.72,-6.694) SHIELD(7.72,-6.694)
  silkscreen extent -7.87,-11.85 7.87,9.08, body extent -8.05,-11.85 8.05,6.69, height 11.85